# Altium PCB XRR.pcbdoc
Units mil, origin at the board's own origin, x right, y up, seen from the top; angles counter-clockwise.
Board outline 3162.44 x 3755.9 mil, 2 copper layers (Top Layer, Bottom Layer); 9 components, 3 nets, 0 pads, 0 vias.
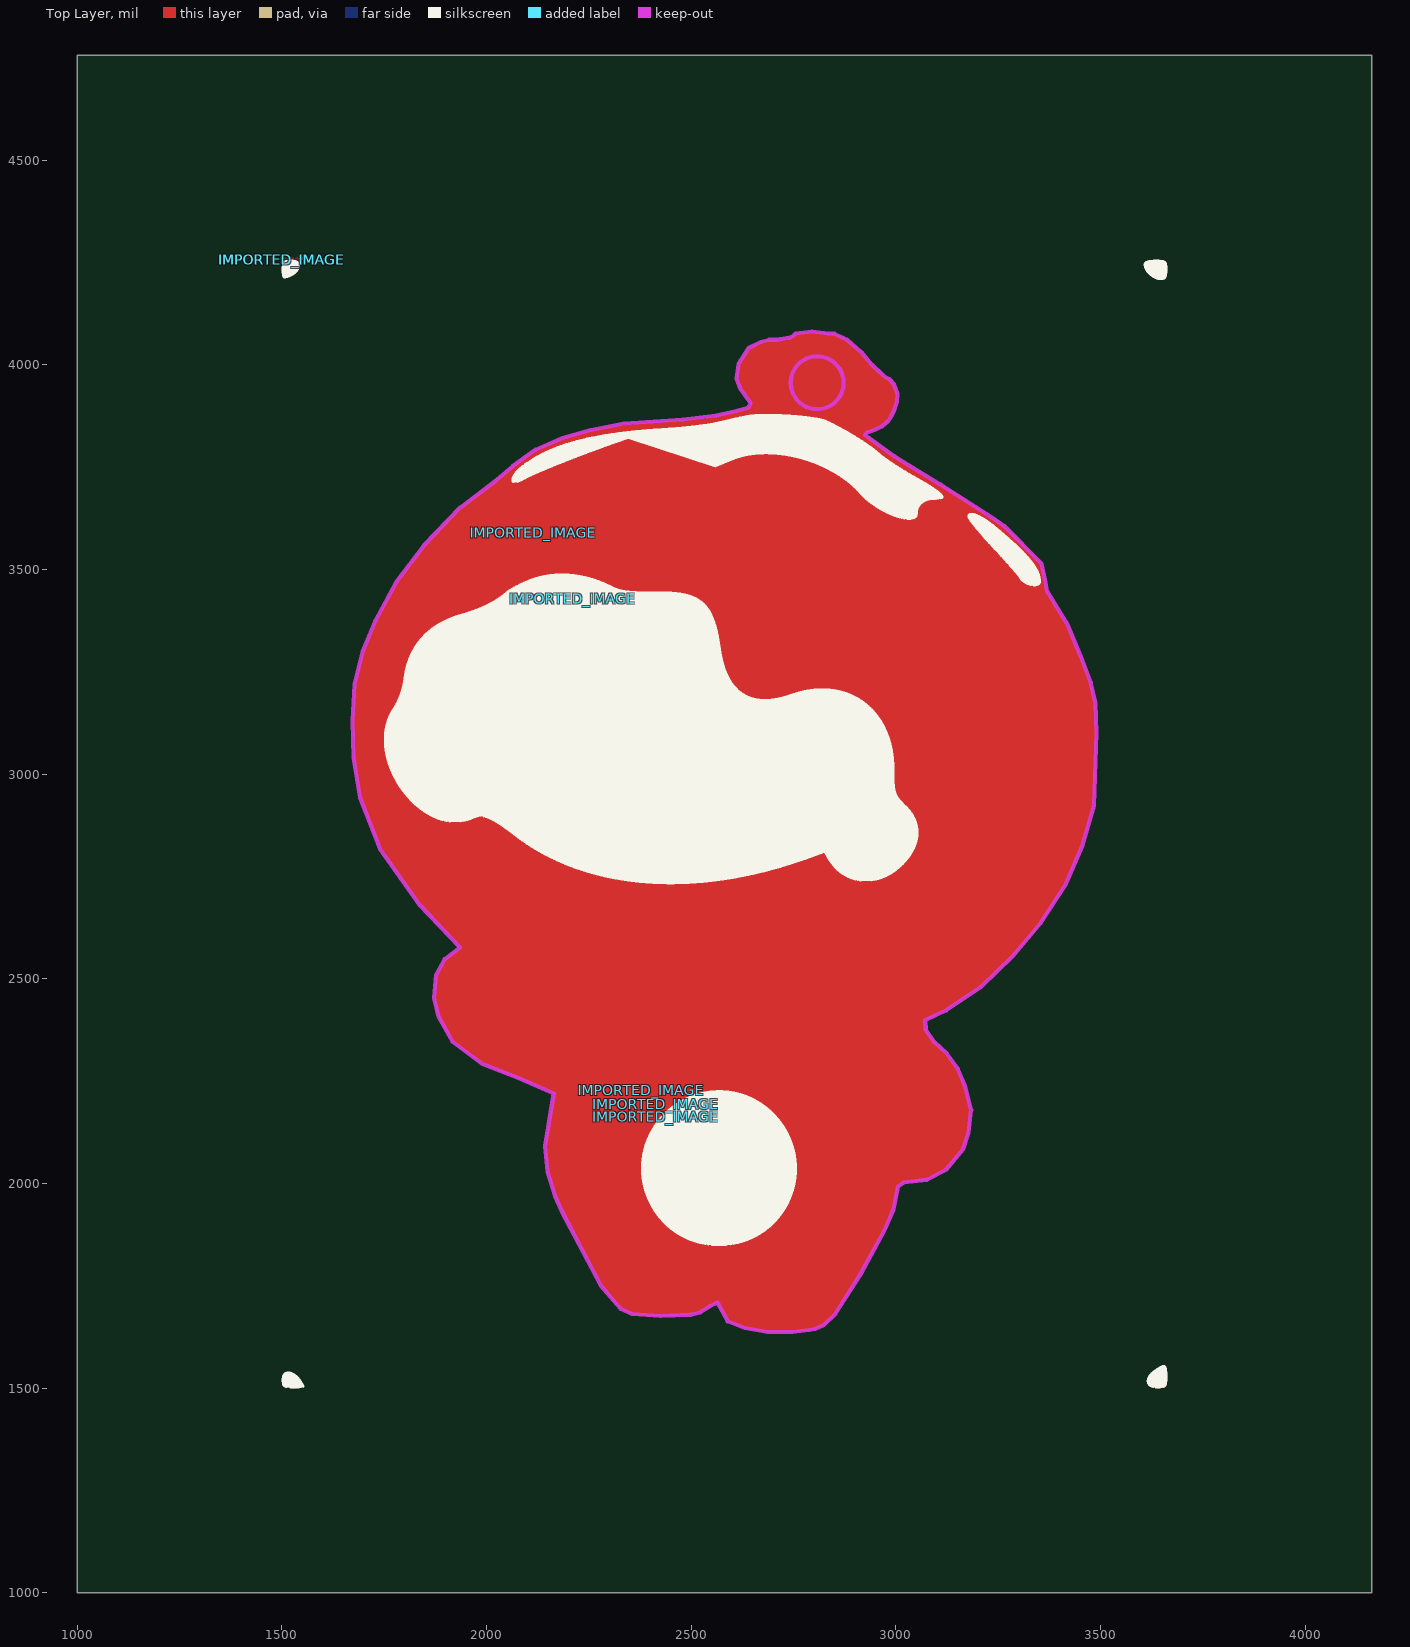
[diagram p0: Top Layer view]
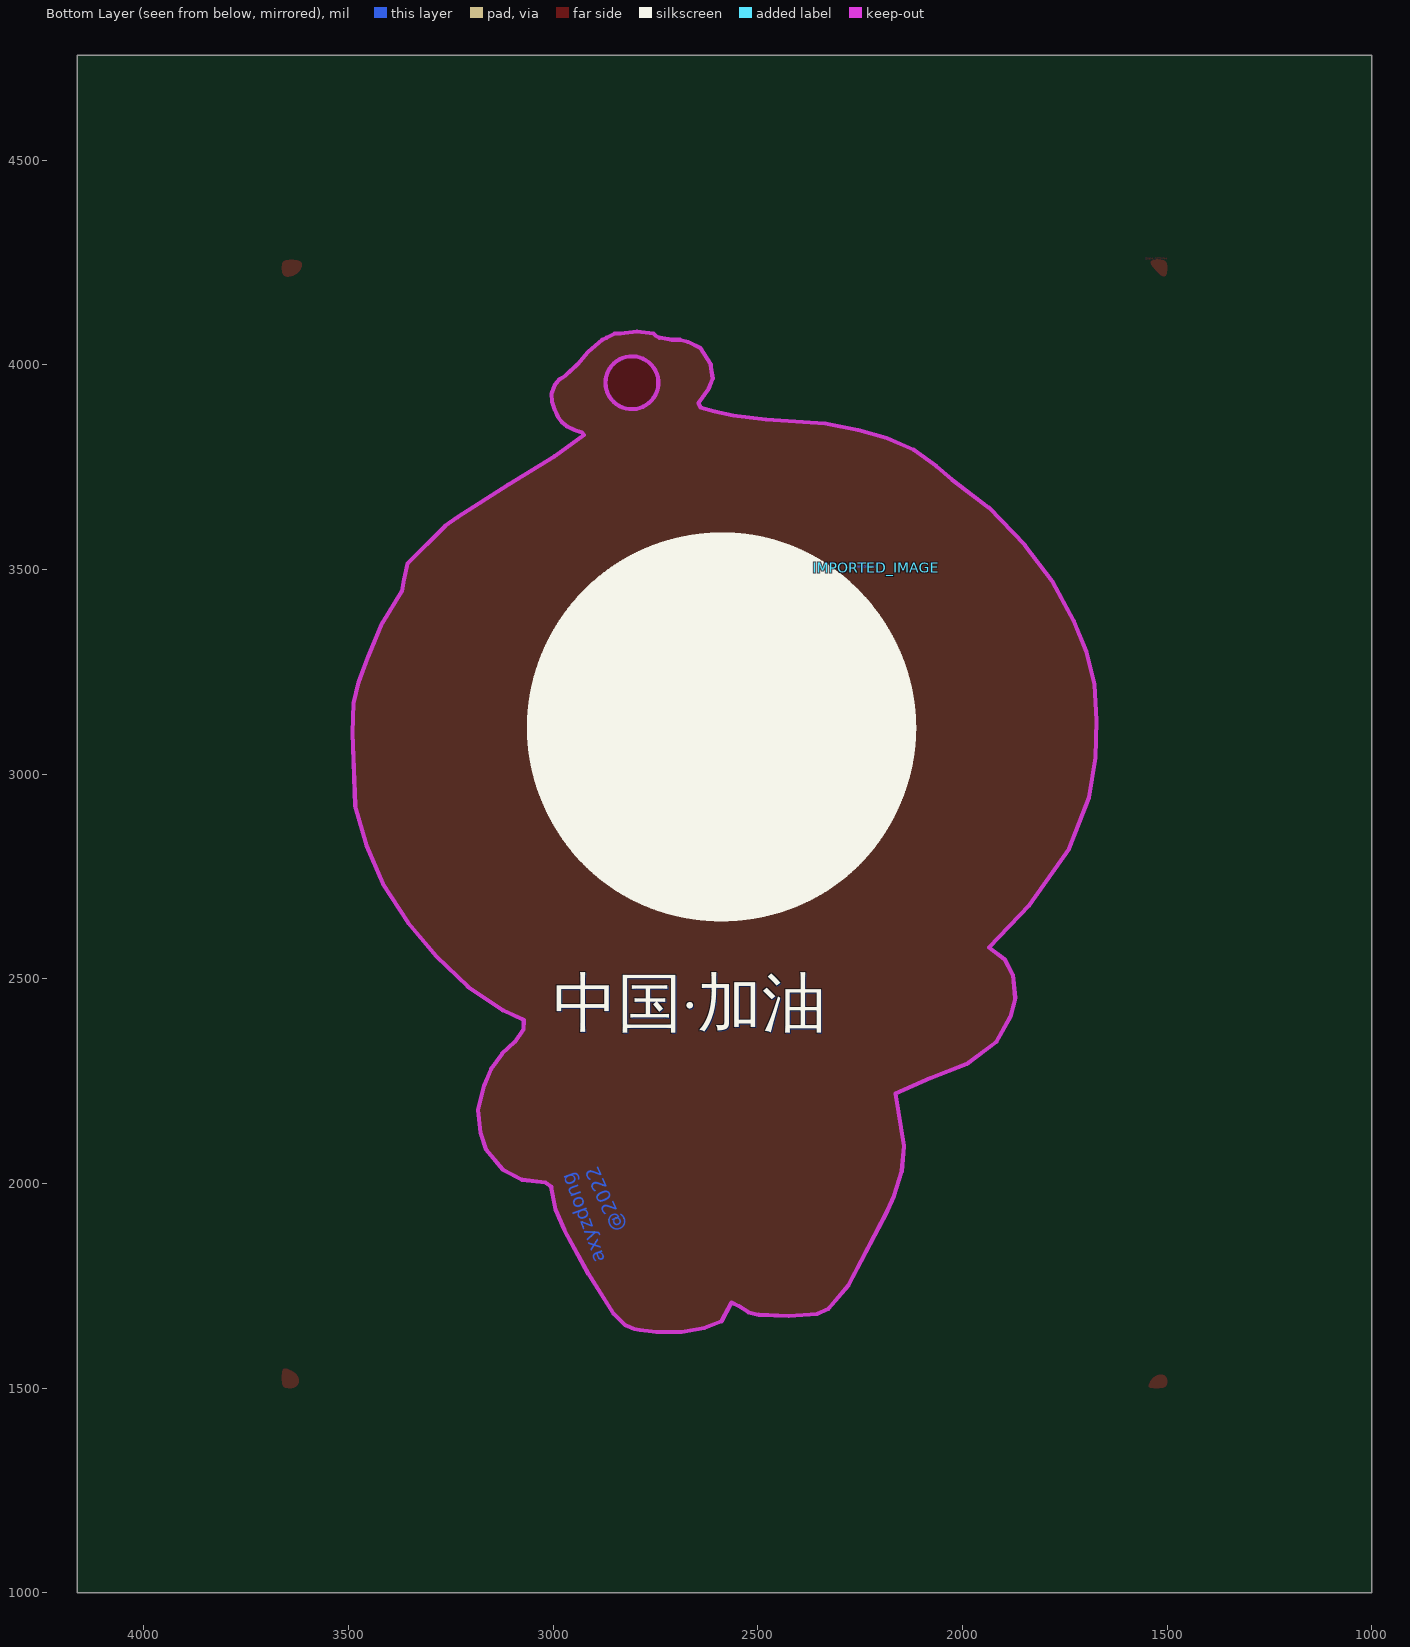
[diagram p1: Bottom Layer view, seen from below]

## Layer stack, top to bottom
Top Layer: signal copper (thickness not stored)
Dielectric: dielectric 12.6, FR-4, Dk 4.8
Bottom Layer: signal copper (thickness not stored)

## Board outline
4162.44,1000 1000,1000 1000,4755.9 4162.44,4755.9
cut-out: 2742.5,3950.89 cw(c2807.5,3955.89) 2872.5,3960.89 cw(c2807.5,3955.89) 2742.5,3950.89 2742.38,3950.58 2742.5,3950.89

## Components (designator, comment, footprint, x,y, rotation, side; value= is the part's Value field where it differs from the comment)
IMPORTED_IMAGE "IMPORTED_IMAGE" IMPORTED_IMAGE#1 2210.85,3428.75 r0 top
IMPORTED_IMAGE "IMPORTED_IMAGE" IMPORTED_IMAGE#2 2210.73,3503.96 r0 bottom
IMPORTED_IMAGE "IMPORTED_IMAGE" IMPORTED_IMAGE#1 2113.43,3589.82 r0 top
IMPORTED_IMAGE "IMPORTED_IMAGE" IMPORTED_IMAGE#1 1500,4255.9 r0 top
IMPORTED_IMAGE "IMPORTED_IMAGE" IMPORTED_IMAGE#1 2413.12,2162.64 r0 top
IMPORTED_IMAGE "IMPORTED_IMAGE" IMPORTED_IMAGE#3 1500,4255.89 r0 top
IMPORTED_IMAGE "IMPORTED_IMAGE" IMPORTED_IMAGE#4 2413.38,2192.74 r0 top
IMPORTED_IMAGE "IMPORTED_IMAGE" IMPORTED_IMAGE#1 1500,4255.89 r0 top
IMPORTED_IMAGE "IMPORTED_IMAGE" IMPORTED_IMAGE#1 2377.68,2227.09 r0 top

## Footprints (in the part's own frame and the unit in brackets; to place one, negate y for a bottom-side part, rotate by r counter-clockwise, add the part's x,y. Pads: shape width x height; smd on the part's side, far side on the other; paste and mask are expansions set on the pad)
IMPORTED_IMAGE#1 [mil]
IMPORTED_IMAGE#2 [mil]
  Top Layer region: 486 vertices and 0 holes, not listed, extent 358.13,690.86 448.35,841.13
  Top Layer region: 210 vertices and 0 holes, not listed, extent 538.91,481.26 608.65,594.77
  Top Layer region: 607 vertices and 0 holes, not listed, extent 355.36,482.36 430.04,575.64
  Top Layer region: 971 vertices and 0 holes, not listed, extent 0,477.23 174.54,570.38
  Top Layer region: 870 vertices and 1 holes, not listed, extent 168.4,481.82 317.08,569.85
  Top Layer region: 499 vertices and 0 holes, not listed, extent 424.17,481.63 511.69,567.31
  Top Layer region: 166 vertices and 0 holes, not listed, extent 573.83,481.96 616.25,563.61
  Top Layer region: 363 vertices and 1 holes, not listed, extent 686.24,478.86 764.87,563.61
  Top Layer region: 231 vertices and 0 holes, not listed, extent 507.75,477.79 545.1,563.61
  Top Layer region: 454 vertices and 0 holes, not listed, extent 614.1,481.96 680.02,563.61
  Top Layer region: 752 vertices and 0 holes, not listed, extent 223.98,-0.01 589.94,318.57
  Top Layer region: 608 vertices and 0 holes, not listed, extent 189.79,225.98 377.81,303.96
IMPORTED_IMAGE#3 [mil]
  Top Layer region: 257 vertices and 0 holes, not listed, extent 2121.33,-2755.89 2162.44,-2708.24
  Top Layer region: 184 vertices and 0 holes, not listed, extent 0,-2755.89 44.9,-2723.38
  Top Layer region: 4627 vertices and 28 holes, not listed, extent 175.72,-2617.69 1987.2,-179.13
  Top Layer region: 545 vertices and 1 holes, not listed, extent 1064.74,-1306.29 1165.01,-1178.77
  Top Layer region: 461 vertices and 1 holes, not listed, extent 499.76,-1162.51 600.15,-1039.72
  Top Layer region: 225 vertices and 0 holes, not listed, extent 2113.66,-40.65 2162.44,0
  Top Layer region: 194 vertices and 0 holes, not listed, extent 0,-39.84 39.74,0
IMPORTED_IMAGE#4 [mil]
  Top Layer region: 245 vertices and 0 holes, not listed, extent 125.98,-336.1 162.07,-275.99
  Top Layer region: 68.77,-237.52 67.88,-237.55 66.99,-237.48 66.11,-237.31 65.26,-237.04 61.86,-235.71 64.85,-234.55 65.26,-234.37 65.67,-234.15 66.07,-233.9 66.46,-233.6 66.86,-233.26 67.25,-232.86 67.64,-232.42 67.93,-232.05 68.23,-231.64 68.52,-231.21 68.82,-230.73 69.12,-230.22 69.43,-229.67 69.73,-229.09 70.05,-228.46 70.36,-227.79 70.69,-227.07 71.01,-226.31 71.35,-225.51 71.69,-224.65 72.04,-223.75 72.4,-222.8 72.77,-221.8 73.14,-220.74 73.53,-219.63 73.93,-218.46 74.34,-217.24 74.75,-215.95 75.19,-214.61 75.63,-213.21 76.09,-211.74 76.72,-209.69 77.38,-207.52 78.06,-205.23 78.77,-202.81 79.51,-200.27 80.29,-197.6 81.09,-194.8 81.63,-194.06 82.69,-193.38 84.09,-192.82 85.65,-192.4 87.17,-192.17 88.49,-192.17 89.41,-192.43 89.76,-192.99 89.73,-193.28 89.65,-193.74 89.51,-194.35 89.33,-195.1 89.1,-195.99 88.83,-196.99 88.53,-198.11 88.19,-199.33 87.81,-200.63 87.41,-202.02 86.99,-203.47 86.54,-204.98 86.07,-206.53 85.59,-208.12 85.1,-209.74 84.6,-211.37 84.1,-213 83.59,-214.62 83.09,-216.23 82.59,-217.8 82.1,-219.34 81.62,-220.82 81.15,-222.25 80.71,-223.6 80.28,-224.87 79.88,-226.04 79.51,-227.11 79.17,-228.07 78.87,-228.9 78.6,-229.59 78.37,-230.13 78.19,-230.52 77.63,-231.51 77.02,-232.43 76.34,-233.28 75.62,-234.07 74.85,-234.79 74.05,-235.43 73.21,-235.99 72.35,-236.47 71.47,-236.86 70.58,-237.17 69.68,-237.39
  Top Layer region: 215 vertices and 0 holes, not listed, extent 133.31,-229.89 163.19,-192.6
  Top Layer region: 466 vertices and 0 holes, not listed, extent 235.52,-227.78 305.34,-190.53
  Top Layer region: 346 vertices and 1 holes, not listed, extent 178.5,-227.58 237.98,-192.36
  Top Layer region: 249 vertices and 0 holes, not listed, extent 100.64,-226.56 135.63,-192.29
  Top Layer region: 62.39,-225.08 61.28,-225.06 60.39,-224.98 59.72,-224.83 59.24,-224.61 58.95,-224.29 58.82,-223.88 58.85,-223.35 59,-222.7 60.84,-216.73 62.51,-211.27 62.8,-210.32 63.11,-209.35 63.43,-208.37 63.75,-207.37 64.08,-206.37 64.41,-205.38 64.74,-204.4 65.07,-203.44 65.4,-202.51 65.71,-201.61 66.02,-200.75 66.32,-199.94 66.6,-199.18 66.86,-198.49 67.11,-197.87 67.33,-197.32 67.92,-196.01 68.49,-194.94 69.07,-194.09 69.68,-193.44 70.34,-192.96 71.08,-192.65 71.92,-192.48 72.88,-192.42 74.33,-192.53 75.29,-192.86 75.75,-193.39 75.69,-194.12 75.55,-194.47 75.39,-194.89 75.22,-195.38 75.03,-195.93 74.82,-196.53 74.6,-197.2 74.36,-197.91 74.11,-198.66 73.85,-199.46 73.31,-201.16 72.74,-202.97 72.15,-204.86 71.56,-206.8 70.97,-208.75 70.39,-210.67 69.84,-212.53 69.58,-213.43 69.33,-214.31 69.09,-215.15 68.86,-215.96 68.65,-216.72 68.45,-217.44 68.27,-218.12 68.1,-218.74 67.72,-220.22 67.5,-221.05 67.28,-221.77 67.06,-222.4 66.84,-222.95 66.61,-223.42 66.36,-223.82 66.08,-224.15 65.78,-224.42 65.44,-224.63 65.07,-224.79 64.65,-224.91 64.17,-225 63.65,-225.05 63.05,-225.08
  Top Layer region: 91.66,-225.08 91.12,-225.08 90.45,-225.08 89.84,-225.06 89.48,-225.03 89.14,-224.99 88.83,-224.93 88.55,-224.86 88.29,-224.77 88.07,-224.65 87.87,-224.52 87.71,-224.36 87.57,-224.17 87.45,-223.95 87.37,-223.7 87.31,-223.42 87.28,-223.1 87.28,-222.74 87.31,-222.35 87.36,-221.91 87.44,-221.42 87.55,-220.9 87.69,-220.32 87.85,-219.69 88.04,-219.01 88.25,-218.28 88.5,-217.48 88.77,-216.63 89.06,-215.72 89.56,-214.24 90.11,-212.6 91.23,-209.33 91.92,-207.27 92.59,-205.29 93.2,-203.45 93.75,-201.81 94.2,-200.4 94.56,-199.3 94.79,-198.55 94.98,-197.96 95.21,-197.35 95.47,-196.73 95.75,-196.12 96.04,-195.54 96.34,-195 96.64,-194.52 96.93,-194.12 97.2,-193.77 97.47,-193.44 97.74,-193.13 97.99,-192.84 98.24,-192.57 98.49,-192.31 98.72,-192.08 98.95,-191.87 99.17,-191.67 99.38,-191.5 99.58,-191.34 99.78,-191.2 99.97,-191.08 100.15,-190.98 100.33,-190.9 100.49,-190.83 100.65,-190.79 100.8,-190.76 100.95,-190.75 101.08,-190.76 101.21,-190.79 101.33,-190.83 101.45,-190.89 101.55,-190.97 101.65,-191.07 101.74,-191.18 101.83,-191.31 101.9,-191.46 101.97,-191.63 102.03,-191.81 102.08,-192.01 102.12,-192.22 102.16,-192.45 102.18,-192.7 102.2,-192.97 102.22,-193.25 102.22,-193.55 102.22,-193.86 102.2,-194.19 102.18,-194.54 102.16,-194.9 102.12,-195.28 102.08,-195.67 102.02,-196.08 101.96,-196.5 101.9,-196.94 101.82,-197.39 101.73,-197.86 101.64,-198.34 101.54,-198.84 101.43,-199.36 101.31,-199.88 101.19,-200.43 101.06,-200.98 100.91,-201.56 100.76,-202.14 100.6,-202.74 100.44,-203.35 100.26,-203.98 100.08,-204.62 99.89,-205.28 99.69,-205.95 99.48,-206.63 99.26,-207.32 98.44,-209.96 97.68,-212.51 96.99,-214.92 96.39,-217.13 95.9,-219.06 95.52,-220.67 95.28,-221.88 95.2,-222.64 95.19,-222.96 95.15,-223.26 95.08,-223.54 94.99,-223.78 94.86,-224.01 94.71,-224.21 94.52,-224.38 94.29,-224.54 94.03,-224.67 93.74,-224.79 93.41,-224.88 93.03,-224.96 92.62,-225.01 92.16,-225.05
  Top Layer region: 171 vertices and 1 holes, not listed, extent -0.62,-225.08 30.82,-191.18
  Top Layer region: 241 vertices and 0 holes, not listed, extent 33.31,-225.08 59.68,-192.42
  Top Layer region: 422 vertices and 0 holes, not listed, extent 69.34,-127.04 215.74,0.39
  Top Layer region: 289 vertices and 0 holes, not listed, extent 154.2,-121.21 229.42,-90.02

## Nets (pads, with @x,y where several pads share a name; then routed paths per layer and width w, separated by ;. In a path a pad name is that pad's centre, name@x,y a point inside that pad or via, vN(x,y) a via of type N, cw(c..) or ccw(c..) an arc to the next point about the centre after c; other vN are vias at no path point)
S$56:  | length 432.9
  Top Layer w31.5: 2878.9,3955.89 ccw(c2810,3955.89) 2878.9,3955.89
S$913: 
S$1277: 

## Keep-outs
Keep-Out Layer:
  circle w10 net S$1277: c2807.5,3955.89 r64.57

## Other copper
Bottom Layer:
  text "中国·加油" at 2997.5,2345.89 h196.85
  text "@2022" at 2811,1895.39 h60 r246
  text "axyzdong" at 2860,1816.89 h60 r250

## Silkscreen, mask and mechanical layers (free items; w line width, h text height)
Bottom Overlay:
  text "中国·加油" at 3000,2348.39 h196.85
Bottom Solder:
  text "中国·加油" at 2995,2343.39 h196.85
Document:
  lines w0.1: 2581.21,2877.94 2581.23,2877.96